# Altium PCB HB_T_Type.PcbDoc (part 1 of 2)
Units mm, origin at the board's own origin, x right, y up, seen from the top; angles counter-clockwise.
Board outline 120 x 200 mm, 4 copper layers (Top Layer, GND, Vcc, Bottom Layer), stack 1.256 mm thick; 100 components, 83 nets, 371 pads, 36 vias.
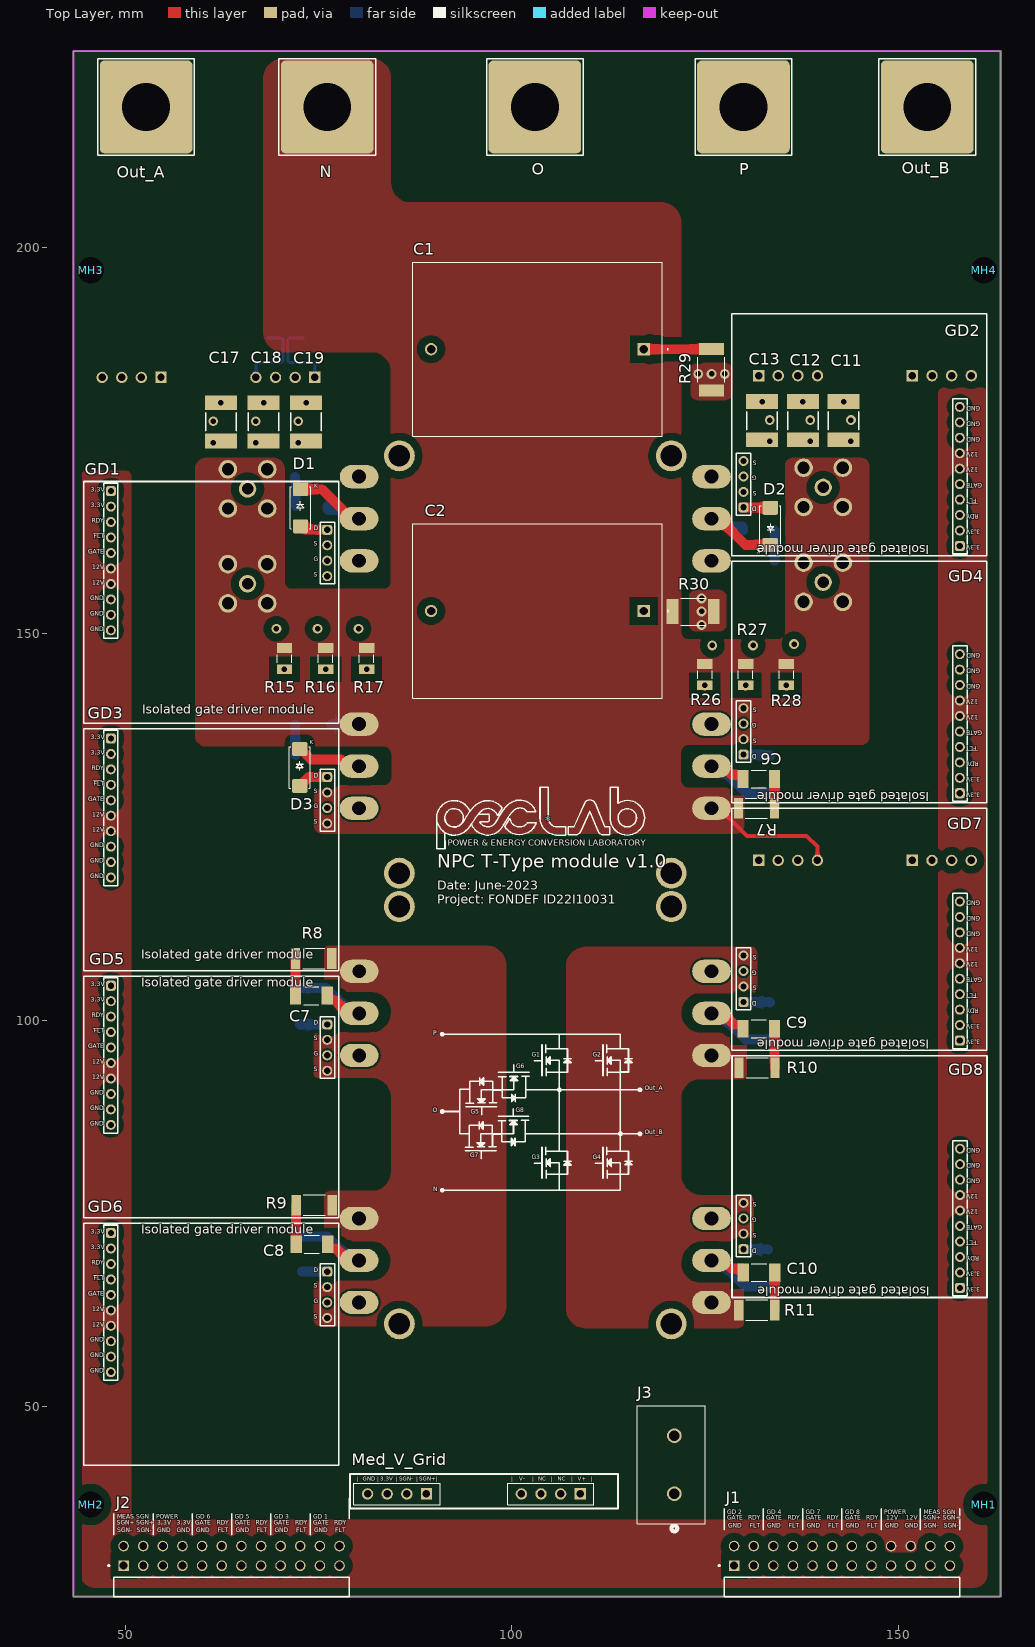
[diagram p0: Top Layer view]
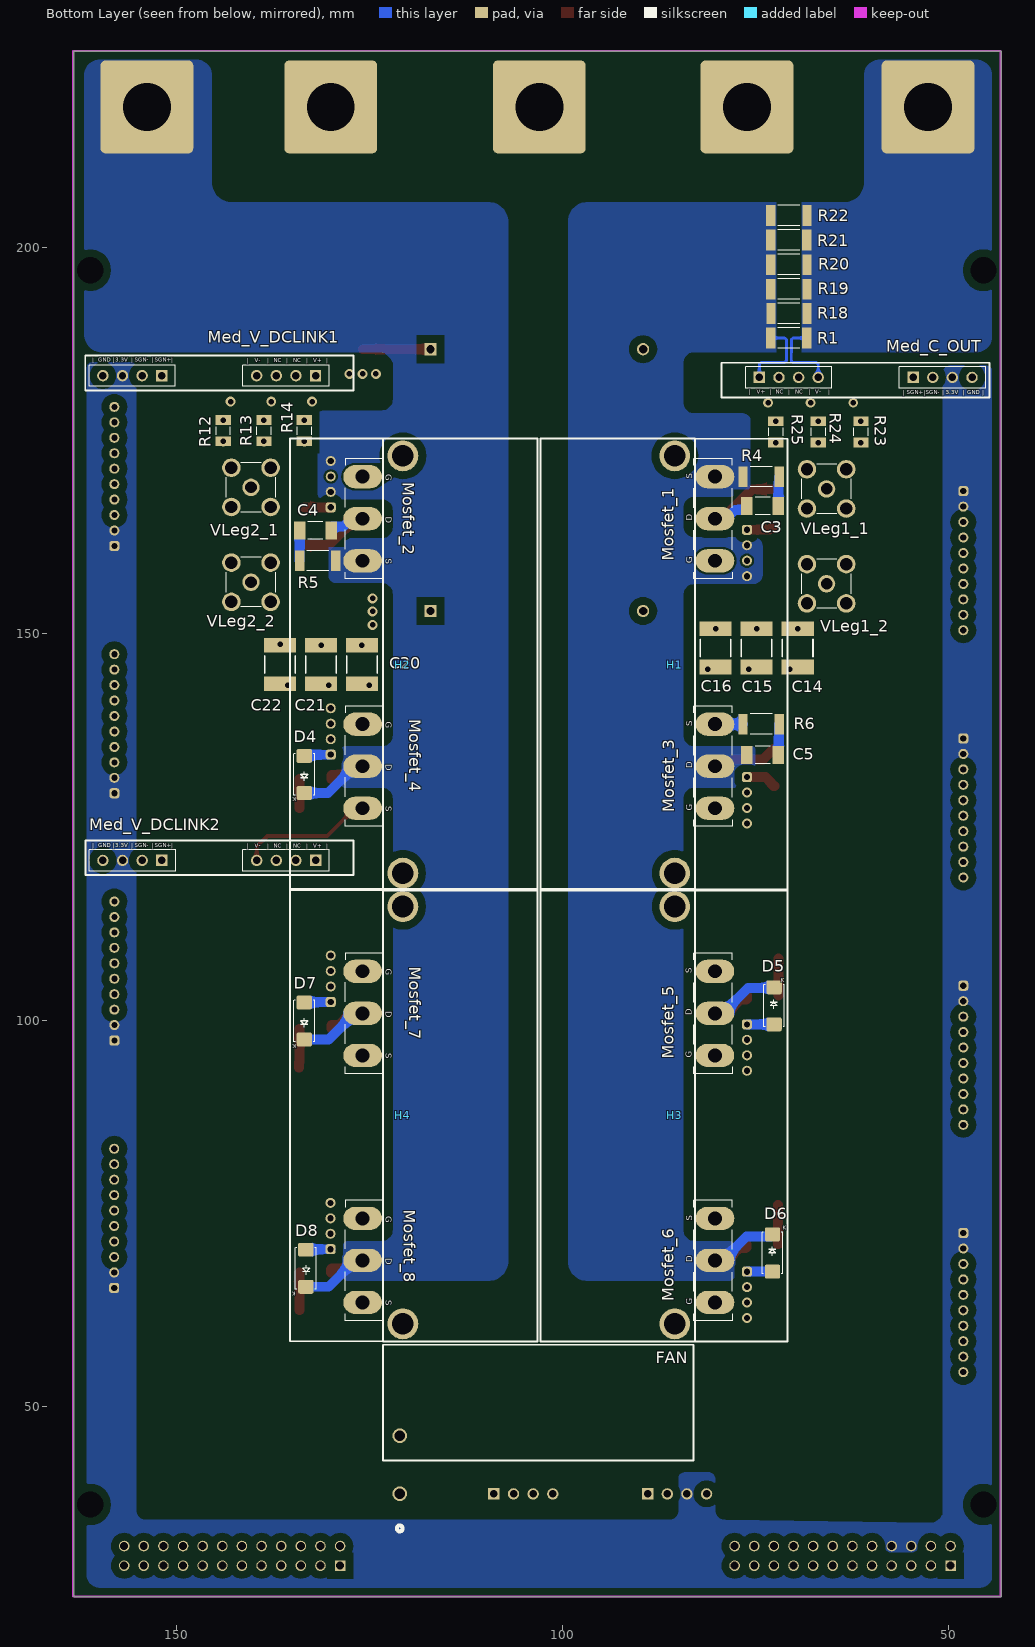
[diagram p1: Bottom Layer view, seen from below]
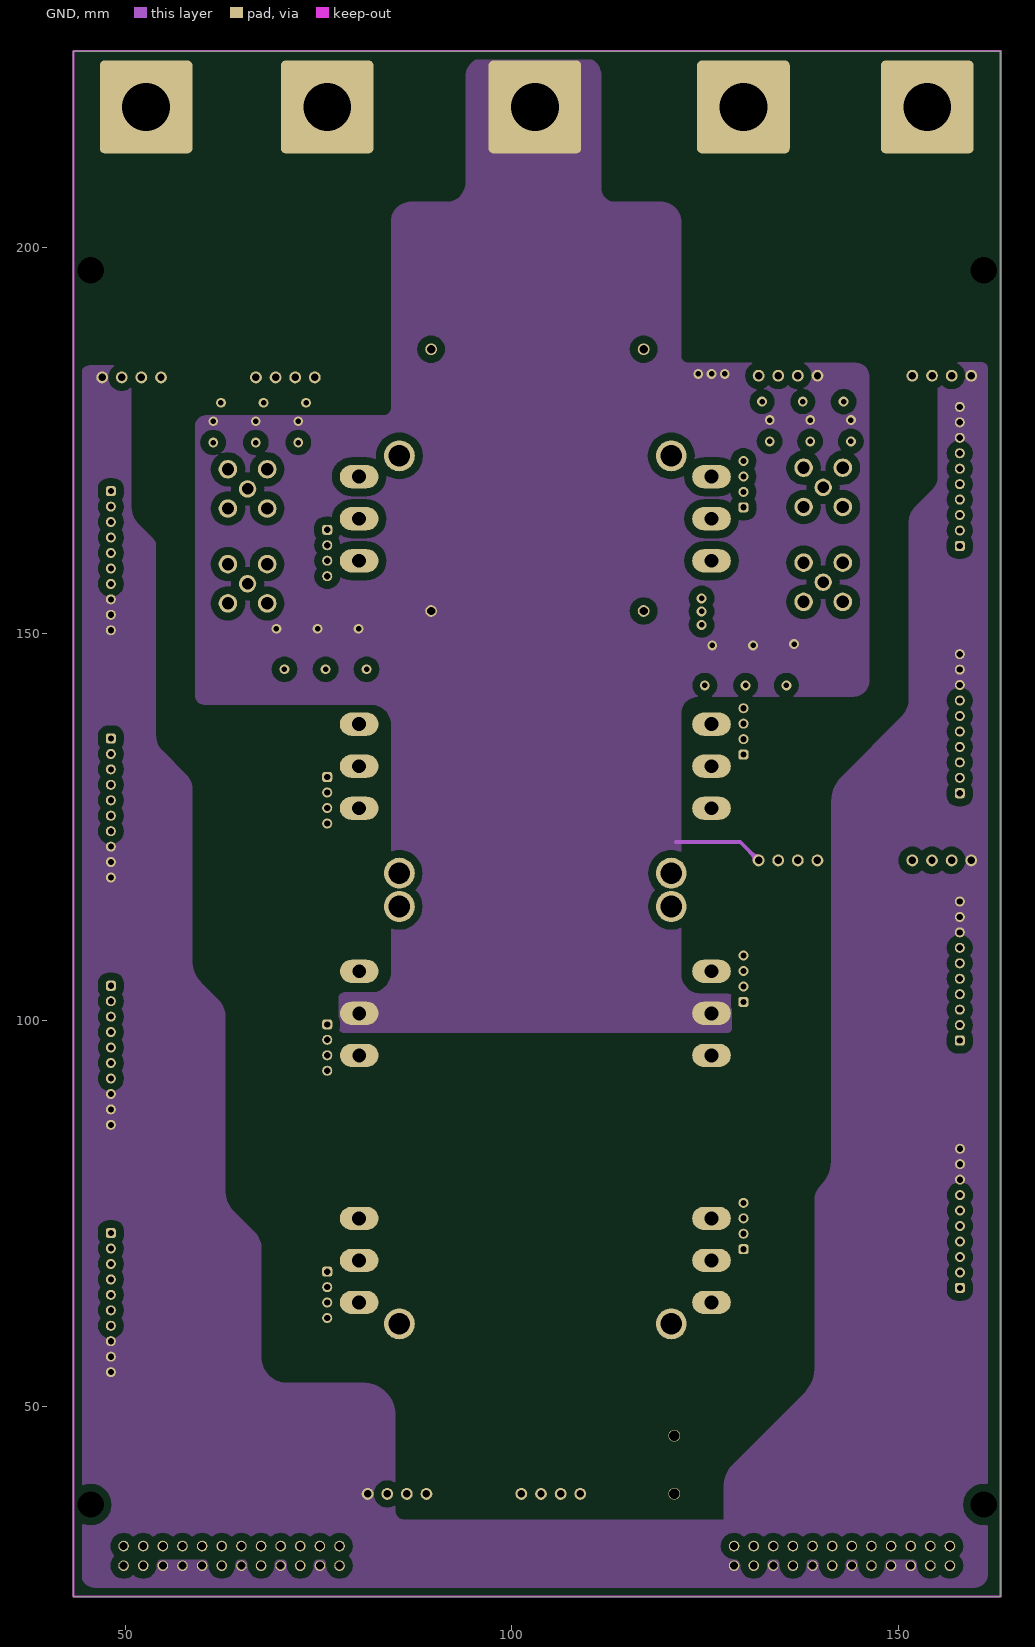
[diagram p2: GND]
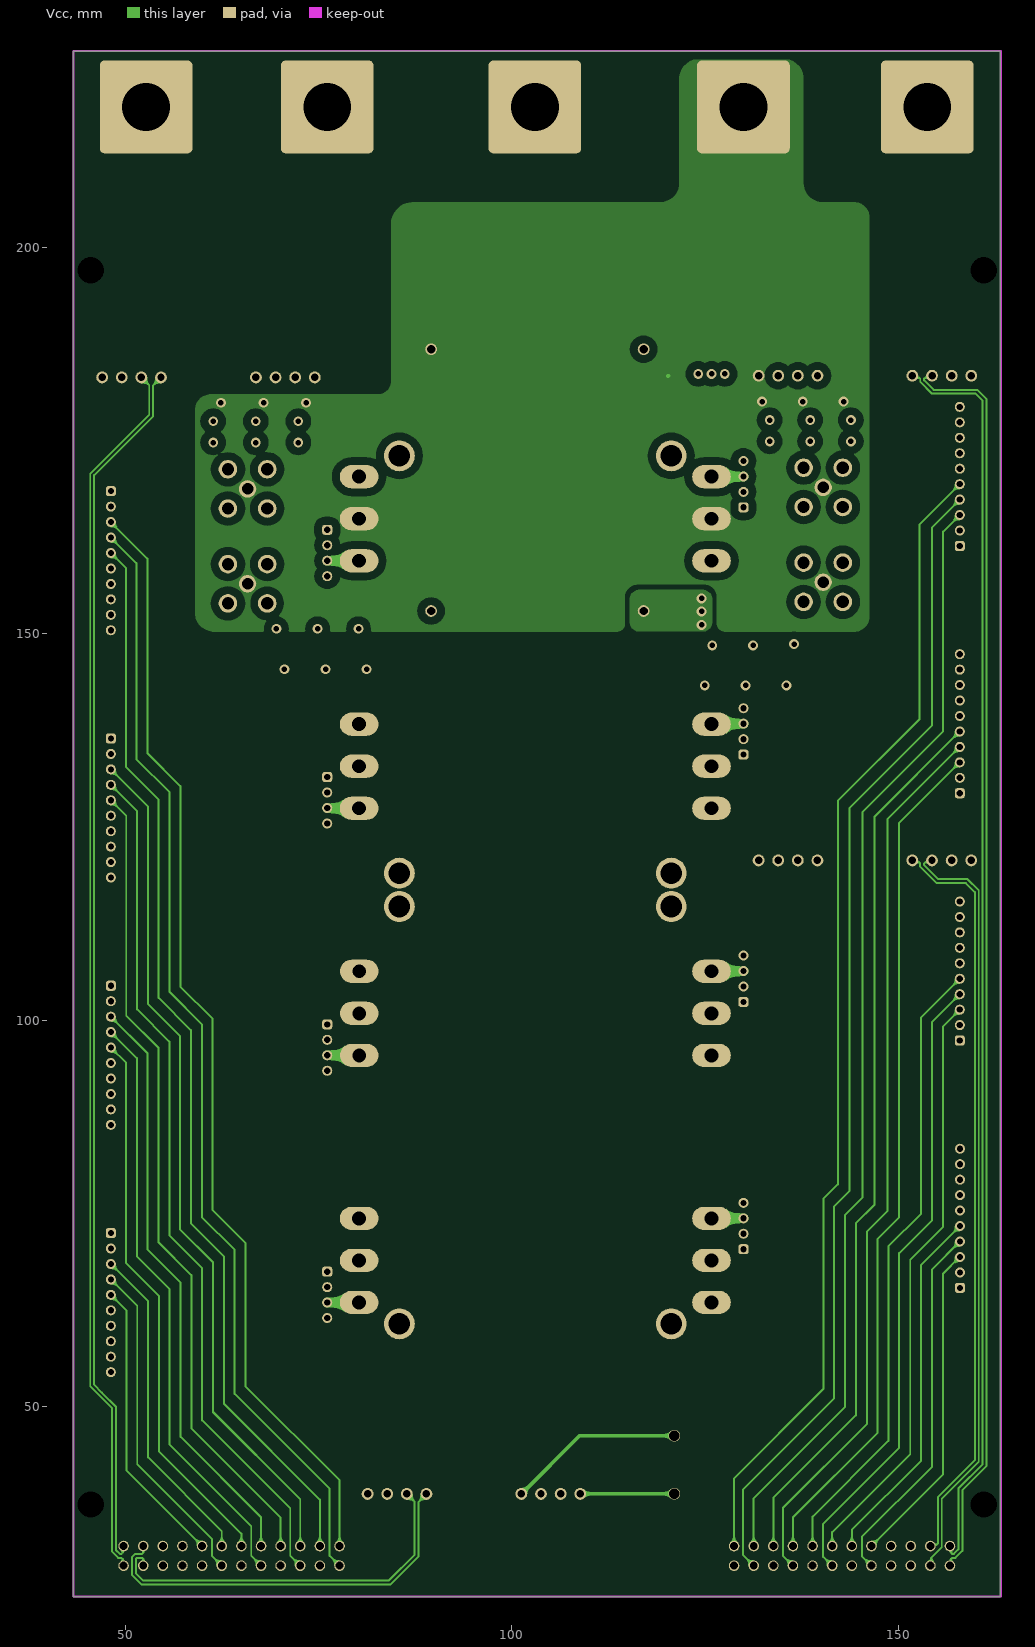
[diagram p3: Vcc]

## Layer stack, top to bottom
Top Solder: solder mask 0.0254, SM-003, Dk 4
Top Layer: signal copper 0.107
Dielectric 1: core 0.254, FR-4, Dk 4.2
GND: signal copper 0.107
Dielectric 3: prepreg 0.32, Dk 4.2
Vcc: signal copper 0.107
Dielectric 2: core 0.254, FR-4, Dk 4.2
Bottom Layer: signal copper 0.107
Bottom Solder: solder mask 0.0254, SM-003, Dk 4

## Board outline
43.25,25.425 43.25,225.425 163.25,225.425 163.25,25.425

## Design rules (kind name [scope] priority, off if disabled: settings)
Clearance Rmed_1 [InNet('GD_Source3') vs InNet('N')] p1: gap=0.254 ignorepadtopadclearanceinfootprint=FALSE except(0: Arc-Hole Track-Hole SMDPad-Hole THPad-Hole Via-Hole Fill-Hole Poly-Hole Region-Hole Text-Hole)
Clearance "Rmed _2" [InNet('GD_Source1') vs InNet('Out_A')] p2: gap=0.254 ignorepadtopadclearanceinfootprint=FALSE except(0: Arc-Hole Track-Hole SMDPad-Hole THPad-Hole Via-Hole Fill-Hole Poly-Hole Region-Hole Text-Hole)
Clearance Gate_source_8 [InNet('Gate8') vs InNet('GD_Source7')] p3: gap=0.254 ignorepadtopadclearanceinfootprint=FALSE except(0: Arc-Hole Track-Hole SMDPad-Hole THPad-Hole Via-Hole Fill-Hole Poly-Hole Region-Hole Text-Hole)
Clearance Gate_source_3 [InNet('Gate3') vs InNet('GD_Source3')] p4: gap=0.254 ignorepadtopadclearanceinfootprint=FALSE except(0: Arc-Hole Track-Hole SMDPad-Hole THPad-Hole Via-Hole Fill-Hole Poly-Hole Region-Hole Text-Hole)
Clearance Gate_source_1 [InNet('Gate1') vs InNet('GD_Source1')] p5: gap=0.254 ignorepadtopadclearanceinfootprint=FALSE except(0: Arc-Hole Track-Hole SMDPad-Hole THPad-Hole Via-Hole Fill-Hole Poly-Hole Region-Hole Text-Hole)
Clearance Gate_source_2 [InNet('Gate2') vs InNet('GD_Source2')] p6: gap=0.254 ignorepadtopadclearanceinfootprint=FALSE except(0: Arc-Hole Track-Hole SMDPad-Hole THPad-Hole Via-Hole Fill-Hole Poly-Hole Region-Hole Text-Hole)
Clearance Gate_source_5 [InNet('Gate5') vs InNet('GD_Source5')] p7: gap=0.254 ignorepadtopadclearanceinfootprint=FALSE except(0: Arc-Hole Track-Hole SMDPad-Hole THPad-Hole Via-Hole Fill-Hole Poly-Hole Region-Hole Text-Hole)
Clearance Gate_source_4 [InNet('Gate4') vs InNet('GD_Source3')] p8: gap=0.254 ignorepadtopadclearanceinfootprint=FALSE except(0: Arc-Hole Track-Hole SMDPad-Hole THPad-Hole Via-Hole Fill-Hole Poly-Hole Region-Hole Text-Hole)
Clearance Gate_source_7 [InNet('Gate7') vs InNet('GD_Source7')] p9: gap=0.254 ignorepadtopadclearanceinfootprint=FALSE except(0: Arc-Hole Track-Hole SMDPad-Hole THPad-Hole Via-Hole Fill-Hole Poly-Hole Region-Hole Text-Hole)
Clearance Gate_source_6 [InNet('Gate6') vs InNet('GD_Source5')] p10: gap=0.254 ignorepadtopadclearanceinfootprint=FALSE except(0: Arc-Hole Track-Hole SMDPad-Hole THPad-Hole Via-Hole Fill-Hole Poly-Hole Region-Hole Text-Hole)
Clearance Gate_drain_1 [InNet('Gate1') vs InNet('Drain3')] p11: gap=0.254 ignorepadtopadclearanceinfootprint=FALSE except(0: Arc-Hole Track-Hole SMDPad-Hole THPad-Hole Via-Hole Fill-Hole Poly-Hole Region-Hole Text-Hole)
Clearance Gate_drain_2 [InNet('Gate2') vs InNet('Drain4')] p12: gap=0.254 ignorepadtopadclearanceinfootprint=FALSE except(0: Arc-Hole Track-Hole SMDPad-Hole THPad-Hole Via-Hole Fill-Hole Poly-Hole Region-Hole Text-Hole)
Clearance "Poly to Poly" [InNet('Out_A') vs InNet('Drain3')] p13: gap=0.245 ignorepadtopadclearanceinfootprint=FALSE except(0: Arc-Hole Track-Hole SMDPad-Hole THPad-Hole Via-Hole Fill-Hole Poly-Hole Region-Hole Text-Hole)
Clearance Clearance_inner_layer [(InNet('GND') or InNet('12V') or InNet('3.3V') or InNet('GD_Source1') or InNet('GD_Source2') or InNet('GD_Source3') or InNet('GD_Source5') or InNet('GD_Source7') or InNet('N') or InNet('Out_A') or InNet('P') or InNet('O')) and OnMid] p14: gap=1 ignorepadtopadclearanceinfootprint=FALSE except(0.254: Arc-Text Arc-Hole Track-Text Track-Hole SMDPad-Text SMDPad-Hole THPad-Text THPad-Hole Via-Text Via-Hole Fill-Text Fill-Hole Poly-Poly Poly-Region Poly-Text Poly-Hole Region-Region Region-Text Region-Hole Text-Text Text-Hole)
Clearance Clearance_outer_layer [(InNet('GND') or InNet('12V') or InNet('3.3V') or InNet('GD_Source1') or InNet('GD_Source2') or InNet('GD_Source3') or InNet('GD_Source5') or InNet('GD_Source7') or InNet('N') or InNet('Out_A') or InNet('P') or InNet('O')) and OnOutside] p15: gap=1 ignorepadtopadclearanceinfootprint=FALSE except(0.254: Arc-Text Arc-Hole Track-Text Track-Hole SMDPad-Text SMDPad-Hole THPad-Text THPad-Hole Via-Text Via-Hole Fill-Text Fill-Hole Poly-Text Poly-Hole Region-Region Region-Text Region-Hole Text-Text Text-Hole; 0.8: SMDPad-Via; 1.2: Arc-Region Track-Region SMDPad-Region THPad-Region Via-Region Fill-Region Poly-Region)
Clearance [All] p16: gap=0.254 ignorepadtopadclearanceinfootprint=FALSE except(0: Arc-Hole Track-Hole SMDPad-Hole THPad-Hole Via-Hole Fill-Hole Poly-Hole Region-Hole Text-Hole)
DiffPairsRouting [All] p1: maxlimit=0.254 minlimit=0.254 mostfreqgap=0.254 toplayer_minwidth=0.254 toplayer_maxwidth=0.381 toplayer_prefwidth=0.381 midlayer1_minwidth=0.254 midlayer1_maxwidth=0.381 midlayer1_prefwidth=0.381 midlayer2_minwidth=0.254 midlayer2_maxwidth=0.381 midlayer2_prefwidth=0.381 bottomlayer_minwidth=0.254 bottomlayer_maxwidth=0.381 bottomlayer_prefwidth=0.381 maxuncoupledlength=12.7
Height [All] p1: minheight=0 maxheight=50 prefheight=12.7
HoleSize [All] p1: absolutevalues=TRUE maxlimit=7 minlimit=0.025 maxpercent=80.000 minpercent=20.000
MinimumSolderMaskSliver [All] p1: minsoldermaskwidth=0.1
PolygonConnect [All] p1: connectstyle=Direct reliefconductorwidth=0.254 reliefentries=4 polygonreliefangle="90 Angle" airgapwidth=0.254
RoutingVias [All] p1: holewidth=0.711 width=1.27 viastyle="Through Hole" minholewidth=0.711 minwidth=1.27 maxholewidth=0.711 maxwidth=1.27
SilkToSilkClearance [All] p1: silktosilkclearance=0.01
SilkToSolderMaskClearance [IsPad] p1: minsilkscreentomaskgap=0 clearancetoexposedcopper=TRUE
SolderMaskExpansion [All] p1: expansion=0.102 istentingtop=FALSE
Width [All] p1: maxlimit=1.27 minlimit=0.254 preferedwidth=0.254
24 further rules are at their usual default settings.

## Classes and differential pairs
component class Heatsink: FAN H1 H2 H3 H4
component class "Power Topology": 3232 * C1 C2 C3 C4 C5 C6 C7 C8 C9 C10 C11 C12 C13 C14 C15 C16 C17 C18 C19 C20 C21 C22 D1 D2 D3 D4 D5 D6 D7 D8 J1 J2 J3 Med_C_OUT Med_V_DCLINK1 Med_V_DCLINK2 Med_V_Grid MH1 MH2 MH3 MH4 Mosfet_1 Mosfet_2 Mosfet_3 Mosfet_4 Mosfet_5 Mosfet_6 Mosfet_7 Mosfet_8 N O Out_A Out_B P R1 R4 R5 R6 R7 R8 R9 R10 R11 R12 R13 R14 R15 R16 R17 R18 R19 R20 R21 R22 R23 R24 R25 R26 R27 R28 R29 R30 VLeg1_1 VLeg1_2 VLeg2_1 VLeg2_2
component class Gate_Drivers: GD1 GD2 GD3 GD4 GD5 GD6 GD7 GD8
differential pair DCLINK2: +DCLINK2_P -DCLINK2_N
differential pair DCLINK1: +DCLINK1_P -DCLINK1_N
differential pair V_grid: +V_grid_P -V_grid_N
differential pair C_out: +C_out_P -C_out_N

## Components (designator, comment, footprint, x,y, rotation, side; value= is the part's Value field where it differs from the comment)
* "LOGO PECLAB" "LOGO PECLAB 2" 104.825,125.875 r0 top
C1 "C4AQIBU5125A12J" CAP_C4AQ_B_2_KEM 117.075,186.85 r180 top
C2 "C4AQIBU5125A12J" CAP_C4AQ_B_2_KEM 117.075,152.975 r180 top
C3 "C1808C681JGGAC7800" CAPC4520X200N 74.1,166.575 r180 bottom value="680 pF"
C4 "C1808C681JGGAC7800" CAPC4520X200N 131.975,163.4 r0 bottom value="680 pF"
C5 "C1808C681JGGAC7800" CAPC4520X200N 74.1,134.35 r180 bottom value="680 pF"
C6 "C1808C681JGGAC7800" CAPC4520X200N 131.975,131.25 r0 top value="680 pF"
C7 "C1808C681JGGAC7800" CAPC4520X200N 74.075,103.2 r180 top value="680 pF"
C8 "C1808C681JGGAC7800" CAPC4520X200N 74.15,71.025 r180 top value="680 pF"
C9 "C1808C681JGGAC7800" CAPC4520X200N 131.975,98.925 r0 top value="680 pF"
C10 "C1808C681JGGAC7800" CAPC4520X200N 132,67.375 r0 top value="680 pF"
C11 "C1812C471JDGACTU" CAP_1812 142.95,177.6 r270 top
C12 "C1812C471JDGACTU" CAP_1812 137.675,177.6 r270 top
C13 "C1812C471JDGACTU" CAP_1812 132.4,177.6 r270 top
C14 "C1812C471JDGACTU" CAP_1812 69.559,148.198 r270 bottom
C15 "C1812C471JDGACTU" CAP_1812 74.884,148.198 r270 bottom
C16 "C1812C471JDGACTU" CAP_1812 80.185,148.198 r270 bottom
C17 "C1812C471JDGACTU" CAP_1812 62.386,177.45 r270 top
C18 "C1812C471JDGACTU" CAP_1812 67.9,177.45 r270 top
C19 "C1812C471JDGACTU" CAP_1812 73.4,177.45 r270 top
C20 "C1812C471JDGACTU" CAP_1812 125.959,146.048 r270 bottom
C21 "C1812C471JDGACTU" CAP_1812 131.235,146.048 r270 bottom
C22 "C1812C471JDGACTU" CAP_1812 136.535,146.048 r270 bottom
D1 "ES1MTR" SMA 72.675,168.725 r0 top
D2 "ES1MTR" SMA 133.475,161.525 r180 top
D3 "ES1MTR" SMA 72.575,135.125 r0 top
D4 "ES1MTR" SMA 133.425,129.425 r0 bottom
D5 "ES1MTR" SMA 72.625,104.275 r180 bottom
D6 "ES1MTR" SMA 72.825,72.3 r180 bottom
D7 "ES1MTR" SMA 133.425,97.525 r0 bottom
D8 "ES1MTR" SMA 133.2,65.525 r0 bottom
FAN "Mech_Fan_60X60" FAN 101.825,43.025 r180 bottom value="Fan 60x60"
GD1 "Isolated gate driver module" Gate_Driver_horizontal 61.016,159.647 r0 top
GD2 "Isolated gate driver module" Gate_Driver_horizontal 145.105,170.225 r180 top
GD3 "Isolated gate driver module" Gate_Driver_horizontal 61.016,127.647 r0 top
GD4 "Isolated gate driver module" Gate_Driver_horizontal 145.105,138.225 r180 top
GD5 "Isolated gate driver module" Gate_Driver_horizontal 61.016,95.647 r0 top
GD6 "Isolated gate driver module" Gate_Driver_horizontal 61.016,63.647 r0 top
GD7 "Isolated gate driver module" Gate_Driver_horizontal 145.105,106.225 r180 top
GD8 "Isolated gate driver module" Gate_Driver_horizontal 145.125,74.225 r180 top
H1 "Mech_Heatsink_Dual_TO-247" HEATSINK_58mm_TO_247 85.471,190.054 r0 bottom value=C60-075-VE
H2 "Mech_Heatsink_Dual_TO-247" HEATSINK_58mm_TO_247 120.65,102.044 r180 bottom value=C60-075-VE
H3 "Mech_Heatsink_Dual_TO-247" HEATSINK_58mm_TO_247 85.471,131.736 r0 bottom value=C60-075-VE
H4 "Mech_Heatsink_Dual_TO-247" HEATSINK_58mm_TO_247 120.65,43.726 r180 bottom value=C60-075-VE
J1 "TSW-112-08-G-D-NA" SAMTEC_TSW-112-08-G-D-NA 142.748,26.67 r0 top
J2 "TSW-112-08-G-D-NA" SAMTEC_TSW-112-08-G-D-NA 63.754,26.67 r0 top
J3 "1766660" CONN_1766660 121.05,46.25 r90 top
Med_C_OUT "M20-7820446" Volt_meas_board 61.725,184.8 r180 bottom value=2.54mm
Med_V_DCLINK1 "M20-7820446" Volt_meas_board 144.755,181.825 r0 bottom value=2.54mm
Med_V_DCLINK2 "M20-7820446" Volt_meas_board 144.75,119.1 r0 bottom value=2.54mm
Med_V_Grid "M20-7820446" Volt_meas_board 96.075,37.125 r180 top value=2.54mm
MH1 "MH_3.4" MH_3.4 161.1,37.35 r0 top
MH2 "MH_3.4" MH_3.4 45.525,37.35 r0 top
MH3 "MH_3.4" MH_3.4 45.525,197.075 r0 top
MH4 "MH_3.4" MH_3.4 161.1,197.075 r0 top
Mosfet_1 "C3M0030090K" TO-247-3 80.264,164.915 r90 bottom
Mosfet_2 "C3M0030090K" TO-247-3 125.857,164.915 r270 bottom
Mosfet_3 "C3M0030090K" TO-247-3 80.264,132.89 r90 bottom
Mosfet_4 "C3M0030090K" TO-247-3 125.857,132.89 r270 bottom
Mosfet_5 "C3M0030090K" TO-247-3 80.275,100.915 r90 bottom
Mosfet_6 "C3M0030090K" TO-247-3 80.264,68.94 r90 bottom
Mosfet_7 "C3M0030090K" TO-247-3 125.857,100.915 r270 bottom
Mosfet_8 "C3M0030090K" TO-247-3 125.857,68.94 r270 bottom
N "M6 Pad" "M6 PAD Connector" 76.133,218.201 r90 top
O "M6 Pad" "M6 PAD Connector" 103,218.201 r90 top
Out_A "M6 Pad" "M6 PAD Connector" 52.7,218.201 r0 top
Out_B "M6 Pad" "M6 PAD Connector" 153.775,218.201 r0 top
P "M6 Pad" "M6 PAD Connector" 129.988,218.201 r90 top
R1 "CRCW20104R70JNEFHP" RESC5025X70N 70.71,188.3 r0 bottom value="4.7 Ohms"
R4 "CRCW20104R70JNEFHP" RESC5025X70N 74.3,170.35 r0 bottom value="4.7 Ohms"
R5 "CRCW20104R70JNEFHP" RESC5025X70N 131.675,159.475 r180 bottom value="4.7 Ohms"
R6 "CRCW20104R70JNEFHP" RESC5025X70N 74.3,138.33 r0 bottom value="4.7 Ohms"
R7 "CRCW20104R70JNEFHP" RESC5025X70N 131.675,127.45 r180 top value="4.7 Ohms"
R8 "CRCW20104R70JNEFHP" RESC5025X70N 74.368,108 r0 top value="4.7 Ohms"
R9 "CRCW20104R70JNEFHP" RESC5025X70N 74.443,76.1 r0 top value="4.7 Ohms"
R10 "CRCW20104R70JNEFHP" RESC5025X70N 131.75,93.875 r180 top value="4.7 Ohms"
R11 "CRCW20104R70JNEFHP" RESC5025X70N 131.707,62.5 r180 top value="4.7 Ohms"
R12 "RL1632R-R180-F" R_1206 143.919,176.3 r180 bottom
R13 "RL1632R-R180-F" R_1206 138.644,176.3 r180 bottom
R14 "RL1632R-R180-F" R_1206 133.407,176.3 r180 bottom
R15 "RL1632R-R180-F" R_1206 70.583,146.802 r0 top
R16 "RL1632R-R180-F" R_1206 75.9,146.8 r0 top
R17 "RL1632R-R180-F" R_1206 81.2,146.8 r0 top
R18 "CRCW20104R70JNEFHP" RESC5025X70N 70.696,191.475 r0 bottom value="4.7 Ohms"
R19 "CRCW20104R70JNEFHP" RESC5025X70N 70.706,194.625 r0 bottom value="4.7 Ohms"
R20 "CRCW20104R70JNEFHP" RESC5025X70N 70.706,197.8 r0 bottom value="4.7 Ohms"
R21 "CRCW20104R70JNEFHP" RESC5025X70N 70.711,200.975 r0 bottom value="4.7 Ohms"
R22 "CRCW20104R70JNEFHP" RESC5025X70N 70.706,204.15 r0 bottom value="4.7 Ohms"
R23 "RL1632R-R180-F" R_1206 61.392,176.15 r180 bottom
R24 "RL1632R-R180-F" R_1206 66.906,176.15 r180 bottom
R25 "RL1632R-R180-F" R_1206 72.406,176.15 r180 bottom
R26 "RL1632R-R180-F" R_1206 124.975,144.725 r0 top
R27 "RL1632R-R180-F" R_1206 130.25,144.725 r0 top
R28 "RL1632R-R180-F" R_1206 135.534,144.727 r0 top
R29 "CSS2H-2512R-1L00F" RES_1L00x_BRN 125.85,184.195 r270 top
R30 "CSS2H-2512R-1L00F" RES_1L00x_BRN 123.475,152.9 r180 top
VLeg1_1 "5-1814832-1" TE_5-1814832-1 65.825,168.775 r180 bottom
VLeg1_2 "5-1814832-1" TE_5-1814832-1 65.825,156.5 r180 bottom
VLeg2_1 "5-1814832-1" TE_5-1814832-1 140.31,168.975 r180 bottom
VLeg2_2 "5-1814832-1" TE_5-1814832-1 140.31,156.7 r180 bottom

## Footprints (in the part's own frame and the unit in brackets; to place one, negate y for a bottom-side part, rotate by r counter-clockwise, add the part's x,y. Pads: shape width x height; smd on the part's side, far side on the other; paste and mask are expansions set on the pad)
CAP_1812 [mm] "Chip Capacitor, 2-Leads, Body 6,00x4,00mm, IPC Medium Density"
  rect 1.9x4.15 smd: 1(-2.475,0) 2(2.475,0)
  silkscreen extent -1.15,-1.97 1.15,1.97, body extent -3,-2 3,2, height 1
CAP_C4AQ_B_2_KEM [mil]
  rect 63x63 / inner round 60 / far side rect 63x63 hole 43 paste-31.5 mask+0: 1(0,0)
  round 63 / inner round 60 / far side round 63 hole 43 paste-31.5 mask-31.5: 2(1082.68,0)
  silkscreen extent -127,-444 1176,444, body extent -90,-439 1170,439, height 1465
CAPC4520X200N [mm] "Cap 1808"
  rect 1.47x2.31 smd: 1(-2.042,0) 2(2.042,0)
  silkscreen extent -0.98,-1.15 0.98,1.15, body extent -2.12,-0.89 2.38,1.11, height 2.02
CONN_1766660 [mil]
  round 75 / inner round 60 / far side round 75 hole 55 paste-37.5 mask+0: 1(-295.28,0) 2(0,0)
  silkscreen extent -487,-157 152,190, body extent -444,-150 144,187, height 472
FAN [mm]
  silkscreen extent -21.42,0 18.78,15, body extent -21.42,0 18.78,15, height 43.86
Gate_Driver_horizontal [mm]
  rrect50% 1.3x1.3 hole 0.8: 1(-12.883,8.836) 11(15.117,3.836)
  round 1.3 hole 0.8: 2(-12.883,6.836) 3(-12.883,4.836) 4(-12.883,2.836) 5(-12.883,0.836) 6(-12.883,-1.164) 7(-12.883,-3.164) 8(-12.883,-5.164) 9(-12.883,-7.164) 10(-12.883,-9.164) 12(15.117,1.836) 13(15.117,-0.164) 14(15.117,-2.164)
  silkscreen extent -16.38,-21.21 16.62,10.09, body extent -16.38,-21.09 16.62,10.16, height 19.61
HEATSINK_58mm_TO_247 [mm]
  round 4 hole 2.8: 0(0,17.005) 0(0,71.005)
  silkscreen extent -14.6,14.75 17.4,73.27, body extent -14.6,15.03 17.4,73, height 46.3
"LOGO PECLAB 2" [mm]
  silkscreen extent -14.55,-3.67 12.38,4.32
"M6 PAD Connector" [mm]
  rrect10% 12x12 hole 6.2: 1(0,0)
  silkscreen extent -6.25,-6.25 6.25,6.25
MH_3.4 [mm]
  round 3.1 hole 3.4 unplated: 1(0,0)
R_1206 [mm]
  rect 2x1.25 smd: 1(0.019,1.386) 2(0.019,-1.374)
  silkscreen extent -0.9,-0.51 0.95,0.54, body extent -0.78,-1.56 0.82,1.64, height 1.6
RES_1L00x_BRN [mil]
  rect 60x127 smd paste+0 mask+0: 1(-105.5,0) 2(105.5,0)
  silkscreen extent -63,-69 63,69, body extent -127,-64 127,64, height 34
RESC5025X70N [mm]
  rect 1.2x2.67 smd: 1(-2.335,0) 2(2.335,0)
  silkscreen extent -1.42,-1.32 1.42,1.32, body extent -2.46,-1.25 2.54,1.25, height 0.7
SAMTEC_TSW-112-08-G-D-NA [mm]
  rect 1.37x1.37 / inner round 1.37 / far side rect 1.37x1.37 hole 1.02: 01(-13.97,2.77)
  round 1.37 hole 1.02: 02(-13.97,5.31) 03(-11.43,2.77) 04(-11.43,5.31) 05(-8.89,2.77) 06(-8.89,5.31) 07(-6.35,2.77) 08(-6.35,5.31) 09(-3.81,2.77) 10(-3.81,5.31) 11(-1.27,2.77) 12(-1.27,5.31) 13(1.27,2.77) 14(1.27,5.31) 15(3.81,2.77) 16(3.81,5.31) 17(6.35,2.77) 18(6.35,5.31) 19(8.89,2.77) 20(8.89,5.31) 21(11.43,2.77) 22(11.43,5.31) 23(13.97,2.77) 24(13.97,5.31)
  silkscreen extent -15.99,-1.27 15.24,2.87, body extent -15.24,-7.05 15.24,5.71, height 5.09
SMA [mm] "DO-214AC, SMA"
  rrect25% 2x1.8 smd: A(0,-4.8) K(0,0)
  silkscreen extent -1.35,-5.08 1.35,0.32, body extent -1.42,-5.15 1.37,0.34, height 2.29
TE_5-1814832-1 [mm]
  round 2.25 hole 1.5: 1(0,0)
  round 2.4 hole 1.6: 2(-2.54,2.54) 3(2.54,2.54) 4(-2.54,-2.54) 5(2.54,-2.54)
  silkscreen extent -3.2,-3.2 3.2,3.2, body extent -3.23,-3.2 3.18,3.2, height 9.5
TO-247-3 [mm] "Mosfet Infineon"
  oval 3x5 hole 1.8: D(0,0) G(-5.44,0) S(5.44,0)
  silkscreen extent -7.79,-2.24 7.79,2.75, body extent -7.79,-2.24 7.79,2.75, height 24.3
Volt_meas_board [mil] "Tarjeta medicion voltaje"
  rect 58x58 / inner round 60 / far side rect 58x58 hole 38 paste-29 mask+0: 1(-503.94,-62.99) 5(279.53,-62.99)
  round 58 / inner round 60 / far side round 58 hole 38 paste-29 mask+0: 2(-403.94,-62.99) 3(-303.94,-62.99) 4(-203.94,-62.99) 6(379.53,-62.99) 7(479.53,-62.99) 8(579.53,-62.99)
  silkscreen extent -697,-165 669,12, body extent -698,-362 667,240, height 1253

## Part data
C1 C2: library part "Cap Film 12.5 uF", "12.5 µF Film Capacitor 800V Polypropylene (PP), Metallized Radial", Mfr_Name=Kemet
C3 C4 C5 C6 C7 C8 C9 C10: library part "CAP CER 680PF 1808", "CAP CER 680PF 2KV C0G/NP0 1808", Package="1808 (4520 Metric)", Availability=Unavailable, MF=KEMET, MP=C1808C681JGGAC7800, Price=None
C11 C12 C13 C14 C15 C16 C17 C18 C19 C20 C21 C22: "Cap Ceramic 470pF 1000V C0G 5% SMD 1812 125°C Embossed Plastic T/R", Capacitance=470pF, Case/Package=1812, Dielectric=C0G, Dielectric Material=Ceramic, Manufacturer=KEMET, Max Operating Temperature=125°C, Min Operating Temperature=-55°C, Supplier Part Number 1=05AC8285, Tolerance=5%, Voltage Rating=1kV, Category="Ceramic Capacitors", Lead Free="Lead Free", Length=0.177inch, Manufacturer Part Number=C1812C471JDGACTU, Mount="Surface Mount", Packaging="Tape and Reel", Pricing 1="1=1,23000, 10=1,18000, 25=1,17000, 50=1,16000, 100=1,16000 (USD)", RoHS=Yes, Stock 1=614, Supplier 1=Newark, Thickness=0.071inch, Voltage Rating (DC)=1kV, Width=0.126inch
D1 D2 D3 D4 D5 D6 D7 D8: library part Diode_1, "Diode Standard 1000 V 1A Surface Mount SMA", Package=SMA, Supplier Part Number 1=1655-1736-1-ND, Created=2021_05_16_EDuran, MF="SMC Diode Solutions", MFP=ES1MTR, Supplier 1=Digi-Key
FAN: "Fan Tubeaxial 12VDC Square - 60mm L x 60mm H Ball 38.4 CFM (1.08m³/min) 2 Wire Leads", Supplier Part Number 1=603-1286-ND, Created=2021_05_07_EDuran, MF="Delta Electronics", MFP=AFB0612EH-AB, Supplier 1=Digi-Key
GD1 GD2 GD3 GD4 GD5 GD6 GD7 GD8: library part Con_Isolated_gate_driver_module, "10 + 4 Position Receptacle Connector 0.079\" (2.00mm) Through Hole Gold", MPN 4pos=SMM-104-01-S-S, MPN 10pos=SMM-110-01-S-S, Package="Through Hole, pitch 0.079\" (2.00mm)", Supplier Part Number 1=SAM11825-ND, Created=2021_07_07_DArancibia, MF="Samtec Inc.", Supplier 1=Digi-Key
H1 H2 H3 H4: "Heat Sink TO-247, TO-264, SOT-227 Aluminum  Board Level, Vertical", Supplier Part Number 1=2485-C60-075-VE-ND, Created=2020_07_07_DArancibia, MF=Ohmite, MFP=C60-075-VE, Supplier 1=Digi-Key
J1 J2: "Conn Unshrouded Header HDR 24 POS 2.54mm Solder RA Side Entry Thru-Hole Bulk", Package=None, Availability="In Stock", Check_prices=https://www.snapeda.com/parts/TSW-112-08-G-D-NA/Samtec/view-part/?ref=eda, MF=Samtec, MP=TSW-112-08-G-D-NA, Price=None, Purchase-URL=https://pricing.snapeda.com/search/part/TSW-112-08-G-D-NA/?ref=eda, SnapEDA_Link=https://www.snapeda.com/parts/TSW-112-08-G-D-NA/Samtec/view-part/?ref=snap
J3: "No Description Available", Mfr_Name="Phoenix Contact", RefDes=RefDes, Type=Type
Med_C_OUT Med_V_DCLINK1 Med_V_DCLINK2 Med_V_Grid: library part Volt_meas_board, "Tarjeta de medicion de voltaje con conector receptor 4 pos 2.54mm", Package="4 pos", MF="Harwin Inc", MP=M20-7820446
MH1 MH2 MH3 MH4: library part "Mounting Hole", "Non plated through hole"
Mosfet_1 Mosfet_2 Mosfet_3 Mosfet_4 Mosfet_5 Mosfet_6 Mosfet_7 Mosfet_8: library part MOSFET_TO247-3, "MOSFET N-CH 60V 195A TO247", Package=TO-247-4, Supplier Part Number 1=1697-C3M0030090K-ND, Created=2020_07_07_DArancibia, MF=Cree/Wolfspeed, MFP=C3M0030090K, Supplier 1=Digi-Key
N O Out_A Out_B P: library part Con_Pad_M6, "Pad M6", Created=2021_07_09_DArancibia
R1 R4 R5 R6 R7 R8 R9 R10 R11 R18 R19 R20 R21 R22: library part "Res 2010 4.7 Ohms", "4.7 Ohms ±5% 1W Chip Resistor 2010 (5025 Metric) Automotive AEC-Q200, Pulse Withstanding Thick Film", Package="2010 (5025 Metric)", Availability=Unavailable, MF="Vishay Dale", MP=CRCW20104R70JNEFHP, Price=None
R12 R13 R14 R15 R16 R17 R23 R24 R25 R26 R27 R28: "Res Thin Film 1206 0.18 Ohm 1% 0.5W(1/2W) 0ppm/C to 100ppm/C Molded SMD Automotive T/R", Case Code (Imperial)=1206, Case Code (Metric)=3216, Manufacturer=Susumu, Max Operating Temperature=125°C, Max Power Dissipation=500mW, Min Operating Temperature=-55°C, Package Quantity=1, Resistance=180mR, Resistance Tolerance=1%, Resistor Type="Thin Film", Supplier Part Number 1=RL16R.18FCT-ND, Temperature Coefficient=100ppm/°C, Case/Package=1206, Category="Chip SMD Resistors", ComponentLink1Description=https://datasheet.ciiva.com/12913/e-15-16-12913646.pdf?src-supplier=Mouser, ComponentLink1URL=https://datasheet.ciiva.com/12913/e-15-16-12913646.pdf?src-supplier=Mouser, ComponentLink2Description=https://datasheet.ciiva.com/2490/rl-data-sheet-2490371.pdf?src-supplier=Digi-Key, ComponentLink2URL=https://datasheet.ciiva.com/2490/rl-data-sheet-2490371.pdf?src-supplier=Digi-Key, ComponentLink3Description=https://datasheet.ciiva.com/2490/rl-data-sheet-2490370.pdf?src-supplier=Digi-Key, ComponentLink3URL=https://datasheet.ciiva.com/2490/rl-data-sheet-2490370.pdf?src-supplier=Digi-Key, ComponentLink4Description=https://datasheet.ciiva.com/2490/rl-data-sheet-2490372.pdf?src-supplier=Digi-Key, ComponentLink4URL=https://datasheet.ciiva.com/2490/rl-data-sheet-2490372.pdf?src-supplier=Digi-Key, Height=0.026inch, Lead Free="Lead Free", Length=0.126inch, Manufacturer Part Number=RL1632R-R180-F, Number of Pins=2, Number of Terminations=2, Packaging="Cut Tape", Power Rating=500mW, Pricing 1="1=0,59000, 10=0,42400, 25=0,33080, 50=0,28000, 100=0,22060, 250=0,18664, 500=0,15272, 1000=0,11878 (USD)", REACH SVHC=Unknown, RoHS=No, Series=RL, Size Code=1206, Stock 1=112939, Supplier 1=Digi-Key, Technology="THIN FILM", Termination=SMD/SMT, Tolerance=1%, Weight=0.000571oz, Width=0.063inch
R29 R30: library part RES_2512, "1 mOhms ±1% 5W Chip Resistor 2512 (6432 Metric) Automotive AEC-Q200, Current Sense Metal Element", Mfr_Name="Bourns Electronics"
VLeg1_1 VLeg1_2 VLeg2_1 VLeg2_2: "SMA Str PCB Skt GZD", Package=None, Availability=Unavailable, MP=5-1814832-1, Price=None

## Via types
v1: diameter 1.27, hole 0.711, Top Layer to Bottom Layer, 24 vias
v2: diameter 1.27, hole 0.711, Top Layer to Bottom Layer, tented both sides, 12 vias

## Nets (pads, with @x,y where several pads share a name; then routed paths per layer and width w, separated by ;. In a path a pad name is that pad's centre, name@x,y a point inside that pad or via, vN(x,y) a via of type N, cw(c..) or ccw(c..) an arc to the next point about the centre after c; other vN are vias at no path point)
3.3V: GD1.1 GD1.2 GD2.1 GD2.2 GD3.1 GD3.2 GD4.1 GD4.2 GD5.1 GD5.2 GD6.1 GD6.2 GD7.1 GD7.2 GD8.1 GD8.2 J2.06 J2.08 Med_C_OUT.7 Med_V_DCLINK1.7 Med_V_DCLINK2.7 Med_V_Grid.7
12V: GD1.6 GD1.7 GD2.6 GD2.7 GD3.6 GD3.7 GD4.6 GD4.7 GD5.6 GD5.7 GD6.6 GD6.7 GD7.6 GD7.7 GD8.6 GD8.7 J1.18 J1.20
C_out_N: J2.01 Med_C_OUT.6 | length 159.4
  Vcc w0.254: J2.01@49.784,29.44 49.652,29.572 49.652,30.307 49.503,30.456 49.082,30.456 48.292,31.246 48.292,40.784 48.292,49.815 46.772,51.335 45.467,52.64 45.467,170.76 53.101,178.394 53.101,182.184 Med_C_OUT.6@52.085,183.2
C_out_P: J2.02 Med_C_OUT.5 | length 158.5
  Vcc w0.254: J2.02@49.784,31.98 49.652,31.848 49.652,31.113 49.503,30.964 49.292,30.964 48.8,31.456 48.8,40.574 48.8,50.025 46.982,51.843 45.975,52.85 45.975,170.55 53.609,178.184 53.609,178.605 53.609,182.184 Med_C_OUT.5@54.625,183.2
DCLINK1_N: J1.23 Med_V_DCLINK1.6 | length 163.6
  Vcc w0.254: Med_V_DCLINK1.6@154.395,183.425 154.154,183.184 153.528,183.184 153.379,183.035 153.379,182.825 154.604,181.6 160.235,181.6 161.458,180.377 161.458,42.365 158.308,39.215 158.308,31.344 157.42,30.456 156.999,30.456 156.85,30.307 156.85,29.572 J1.23@156.718,29.44
DCLINK1_P: J1.24 Med_V_DCLINK1.5 | length 162.8
  Vcc w0.254: Med_V_DCLINK1.5@151.855,183.425 152.096,183.184 152.722,183.184 152.871,183.035 152.871,182.614 154.393,181.092 160.025,181.092 160.95,180.167 160.95,42.575 157.8,39.425 157.8,31.554 157.21,30.964 156.999,30.964 156.85,31.113 156.85,31.848 J1.24@156.718,31.98
DCLINK2_N: J1.21 Med_V_DCLINK2.6 | length 99.8
  Vcc w0.254: J1.21@154.178,29.44 154.31,29.572 154.31,30.464 155.652,31.805 155.652,38.094 160.442,42.884 160.442,116.818 158.985,118.275 155.199,118.275 153.374,120.1 153.374,120.31 153.523,120.459 154.149,120.459 Med_V_DCLINK2.6@154.39,120.7
DCLINK2_P: J1.22 Med_V_DCLINK2.5 | length 97.4
  Vcc w0.254: Med_V_DCLINK2.5@151.85,120.7 152.091,120.459 152.717,120.459 152.866,120.31 152.866,119.889 154.988,117.767 158.775,117.767 159.934,116.608 159.934,43.094 155.144,38.304 155.144,32.311 154.995,32.162 154.36,32.162 J1.22@154.178,31.98
Drain1: D1.A GD1.11 | length 3.6
  Top Layer w1.27: D1.A@72.675,163.925 72.775,163.925 73.217,163.483 GD1.11@76.133,163.483
Drain2: D2.A GD2.11 | length 3.5
  Top Layer w1.27: GD2.11@129.988,166.389 130.003,166.374 133.426,166.374 D2.A@133.475,166.325
Drain3: D3.A GD3.11 | length 4.1
  Top Layer w1.27: D3.A@72.575,130.325 72.675,130.325 72.94,130.59 72.94,130.69 73.733,131.483 GD3.11@76.133,131.483
Drain4: D4.A GD4.11 | length 3.5
  Bottom Layer w1.27: GD4.11@129.988,134.389 130.003,134.374 133.276,134.374 D4.A@133.425,134.225
Drain5: D5.A GD5.11 | length 3.5
  Bottom Layer w1.27: D5.A@72.625,99.475 72.629,99.479 76.129,99.479 GD5.11@76.133,99.483
Drain6: D6.A GD6.11 | length 3.3
  Bottom Layer w1.27: D6.A@72.825,67.5 76.116,67.5 GD6.11@76.133,67.483
Drain7: D7.A GD7.11 | length 3.5
  Bottom Layer w1.27: GD7.11@129.988,102.389 130.003,102.374 133.376,102.374 D7.A@133.425,102.325
Drain8: D8.A GD8.11 | length 3.2
  Bottom Layer w1.27: GD8.11@130.008,70.389 130.023,70.374 133.151,70.374 D8.A@133.2,70.325
Fault_1: GD1.4 J2.23 | length 145.3
  Vcc w0.254: GD1.4@48.133,162.483 51.45,159.166 51.45,133.775 55.725,129.5 55.725,103.675 59.9,99.5 59.9,74.55 64.15,70.3 64.15,51.675 76.45,39.375 76.45,30.714 J2.23@77.724,29.44
Fault_2: GD2.4 J1.03 | length 150.1
  Vcc w0.254: J1.03@131.318,29.44 129.958,30.8 129.958,39.308 141.725,51.075 141.725,75.95 143.725,77.95 143.725,127.5 154.374,138.149 154.374,163.776 GD2.4@157.988,167.389
Fault_3: GD3.4 J2.19 | length 111.2
  Vcc w0.254: GD3.4@48.133,130.483 51.525,127.091 51.525,101.425 55.7,97.25 55.7,72.175 59.95,67.925 59.95,48.25 71.35,36.85 71.35,30.734 J2.19@72.644,29.44
Fault_4: GD4.4 J1.07 | length 116
  Vcc w0.254: J1.07@136.398,29.44 135.1,30.738 135.1,36.9 145.95,47.75 145.95,72.625 148.625,75.3 148.625,126.026 GD4.4@157.988,135.389
Fault_5: GD5.4 J2.15 | length 77.1
  Vcc w0.254: GD5.4@48.133,98.483 51.5,95.116 51.5,69.45 55.75,65.2 55.75,45.1 66.3,34.55 66.3,30.704 J2.15@67.564,29.44
Fault_6: GD6.4 J2.11 | length 43
  Vcc w0.254: GD6.4@48.133,66.483 51.55,63.066 51.55,42.55 61.25,32.85 61.25,30.674 J2.11@62.484,29.44
Fault_7: GD7.4 J1.11 | length 81.8
  Vcc w0.254: J1.11@141.478,29.44 140.343,30.575 140.299,30.575 140.299,34.849 150.15,44.7 150.15,69.875 154.4,74.125 154.4,99.801 GD7.4@157.988,103.389
Fault_8: GD8.4 J1.15 | length 47.7
  Vcc w0.254: J1.15@146.558,29.44 145.325,30.673 145.325,33.175 154.4,42.25 154.4,67.781 GD8.4@158.008,71.389
Gate1: GD1.13 Mosfet_1.G | length 4.1
  Vcc w1.27: GD1.13@76.133,159.483 76.137,159.479 80.26,159.479 Mosfet_1.G@80.264,159.475
Gate2: GD2.13 Mosfet_2.G | length 4.1
  Vcc w1.27: Mosfet_2.G@125.857,170.355 129.946,170.355 129.98,170.389 GD2.13@129.988,170.389
Gate3: GD3.13 Mosfet_3.G | length 4.1
  Vcc w1.27: GD3.13@76.133,127.483 76.141,127.483 76.174,127.45 Mosfet_3.G@80.264,127.45
Gate4: GD4.13 Mosfet_4.G | length 4.2
  Vcc w1.27: Mosfet_4.G@125.857,138.33 125.91,138.383 129.982,138.383 GD4.13@129.988,138.389
Gate5: GD5.13 Mosfet_5.G | length 4.1
  Vcc w1.27: GD5.13@76.133,95.483 76.137,95.479 80.271,95.479 Mosfet_5.G@80.275,95.475
Gate6: GD6.13 Mosfet_6.G | length 4.1
  Vcc w1.27: GD6.13@76.133,63.483 76.139,63.489 80.253,63.489 Mosfet_6.G@80.264,63.5
Gate7: GD7.13 Mosfet_7.G | length 4.1
  Vcc w1.27: Mosfet_7.G@125.857,106.355 129.946,106.355 129.98,106.389 GD7.13@129.988,106.389
Gate8: GD8.13 Mosfet_8.G | length 4.2
  Vcc w1.27: Mosfet_8.G@125.857,74.38 125.861,74.385 130.004,74.385 GD8.13@130.008,74.389
Gate_1: GD1.5 J2.22 | length 139.7
  Vcc w0.254: GD1.5@48.133,160.483 50.074,158.542 50.074,132.801 54.325,128.55 54.325,102.925 58.5,98.75 58.5,73.725 62.75,69.475 62.75,50.425 75.184,37.991 J2.22@75.184,31.98
Gate_2: GD2.5 J1.02 | length 149.5
  Vcc w0.254: J1.02@128.778,31.98 128.778,40.753 140.325,52.3 140.325,76.9 142.2,78.775 142.2,128.4 152.8,139 152.8,164.201 GD2.5@157.988,169.389
Gate_3: GD3.5 J2.18 | length 105.6
  Vcc w0.254: GD3.5@48.133,128.483 50.125,126.491 50.125,100.625 54.3,96.45 54.3,71.3 58.55,67.05 58.55,47.2 70.104,35.646 J2.18@70.104,31.98
Gate_4: GD4.5 J1.06 | length 115.4
  Vcc w0.254: J1.06@133.858,31.98 133.858,38.208 144.55,48.9 144.55,73.725 146.95,76.125 146.95,126.351 GD4.5@157.988,137.389
Gate_5: GD5.5 J2.14 | length 71.5
  Vcc w0.254: GD5.5@48.133,96.483 50.1,94.516 50.1,68.6 54.35,64.35 54.35,44.25 65.024,33.576 J2.14@65.024,31.98
Gate_6: GD6.5 J2.10 | length 37.4
  Vcc w0.254: GD6.5@48.133,64.483 50.15,62.466 50.15,41.774 J2.10@59.944,31.98
Gate_7: GD7.5 J1.10 | length 81.3
  Vcc w0.254: J1.10@138.938,31.98 138.938,35.788 148.75,45.6 148.75,70.775 152.975,75 152.975,100.376 GD7.5@157.988,105.389
Gate_8: GD8.5 J1.14 | length 47.2
  Vcc w0.254: J1.14@144.018,31.98 144.018,34.068 152.975,43.025 152.975,68.356 GD8.5@158.008,73.389
GD_RDY1: GD1.3 J2.24 | length 144.8
  Vcc w0.254: GD1.3@48.133,164.483 52.85,159.766 52.85,134.6 57.125,130.325 57.125,104.375 61.3,100.2 61.3,75.45 65.55,71.2 65.55,52.675 77.724,40.501 J2.24@77.724,31.98
GD_RDY2: GD2.3 J1.04 | length 144.5
  Vcc w0.254: J1.04@131.318,31.98 131.318,38.143 143.125,49.95 143.125,74.8 145.375,77.05 145.375,126.925 155.837,137.387 155.837,163.238 GD2.3@157.988,165.389
GD_RDY3: GD3.3 J2.20 | length 110.7
  Vcc w0.254: GD3.3@48.133,132.483 52.925,127.691 52.925,102.15 57.1,97.975 57.1,72.925 61.35,68.675 61.35,49.325 72.644,38.031 J2.20@72.644,31.98
GD_RDY4: GD4.3 J1.08 | length 110.4
  Vcc w0.254: J1.08@136.398,31.98 136.398,35.673 147.35,46.625 147.35,71.725 150.15,74.525 150.15,125.551 GD4.3@157.988,133.389
GD_RDY5: GD5.3 J2.16 | length 76.6
  Vcc w0.254: GD5.3@48.133,100.483 52.9,95.716 52.9,70.325 57.15,66.075 57.15,46.1 67.564,35.686 J2.16@67.564,31.98
GD_RDY6: GD6.3 J2.12 | length 42.4
  Vcc w0.254: GD6.3@48.133,68.483 52.95,63.666 52.95,43.45 62.484,33.916 J2.12@62.484,31.98
GD_RDY7: GD7.3 J1.12 | length 76.2
  Vcc w0.254: J1.12@141.478,31.98 141.478,33.778 151.575,43.875 151.575,69.05 155.825,73.3 155.825,99.226 GD7.3@157.988,101.389
GD_RDY8: GD8.3 J1.16 | length 42.2
  Vcc w0.254: J1.16@146.558,31.98 155.8,41.222 155.8,67.181 GD8.3@158.008,69.389